# Altium PCB FMC_ADC_100M_10B_16CHA_TDC.PcbDoc (part 12 of 12)
Units mil, origin at the board's own origin, x right, y up, seen from the top; angles counter-clockwise.
Board outline 3037.39 x 2716.54 mil, 6 copper layers (TOP, G1, L2, L3, P3, BOTTOM), stack 50.475 mil thick; 720 components, 633 nets, 2798 pads, 1593 vias.
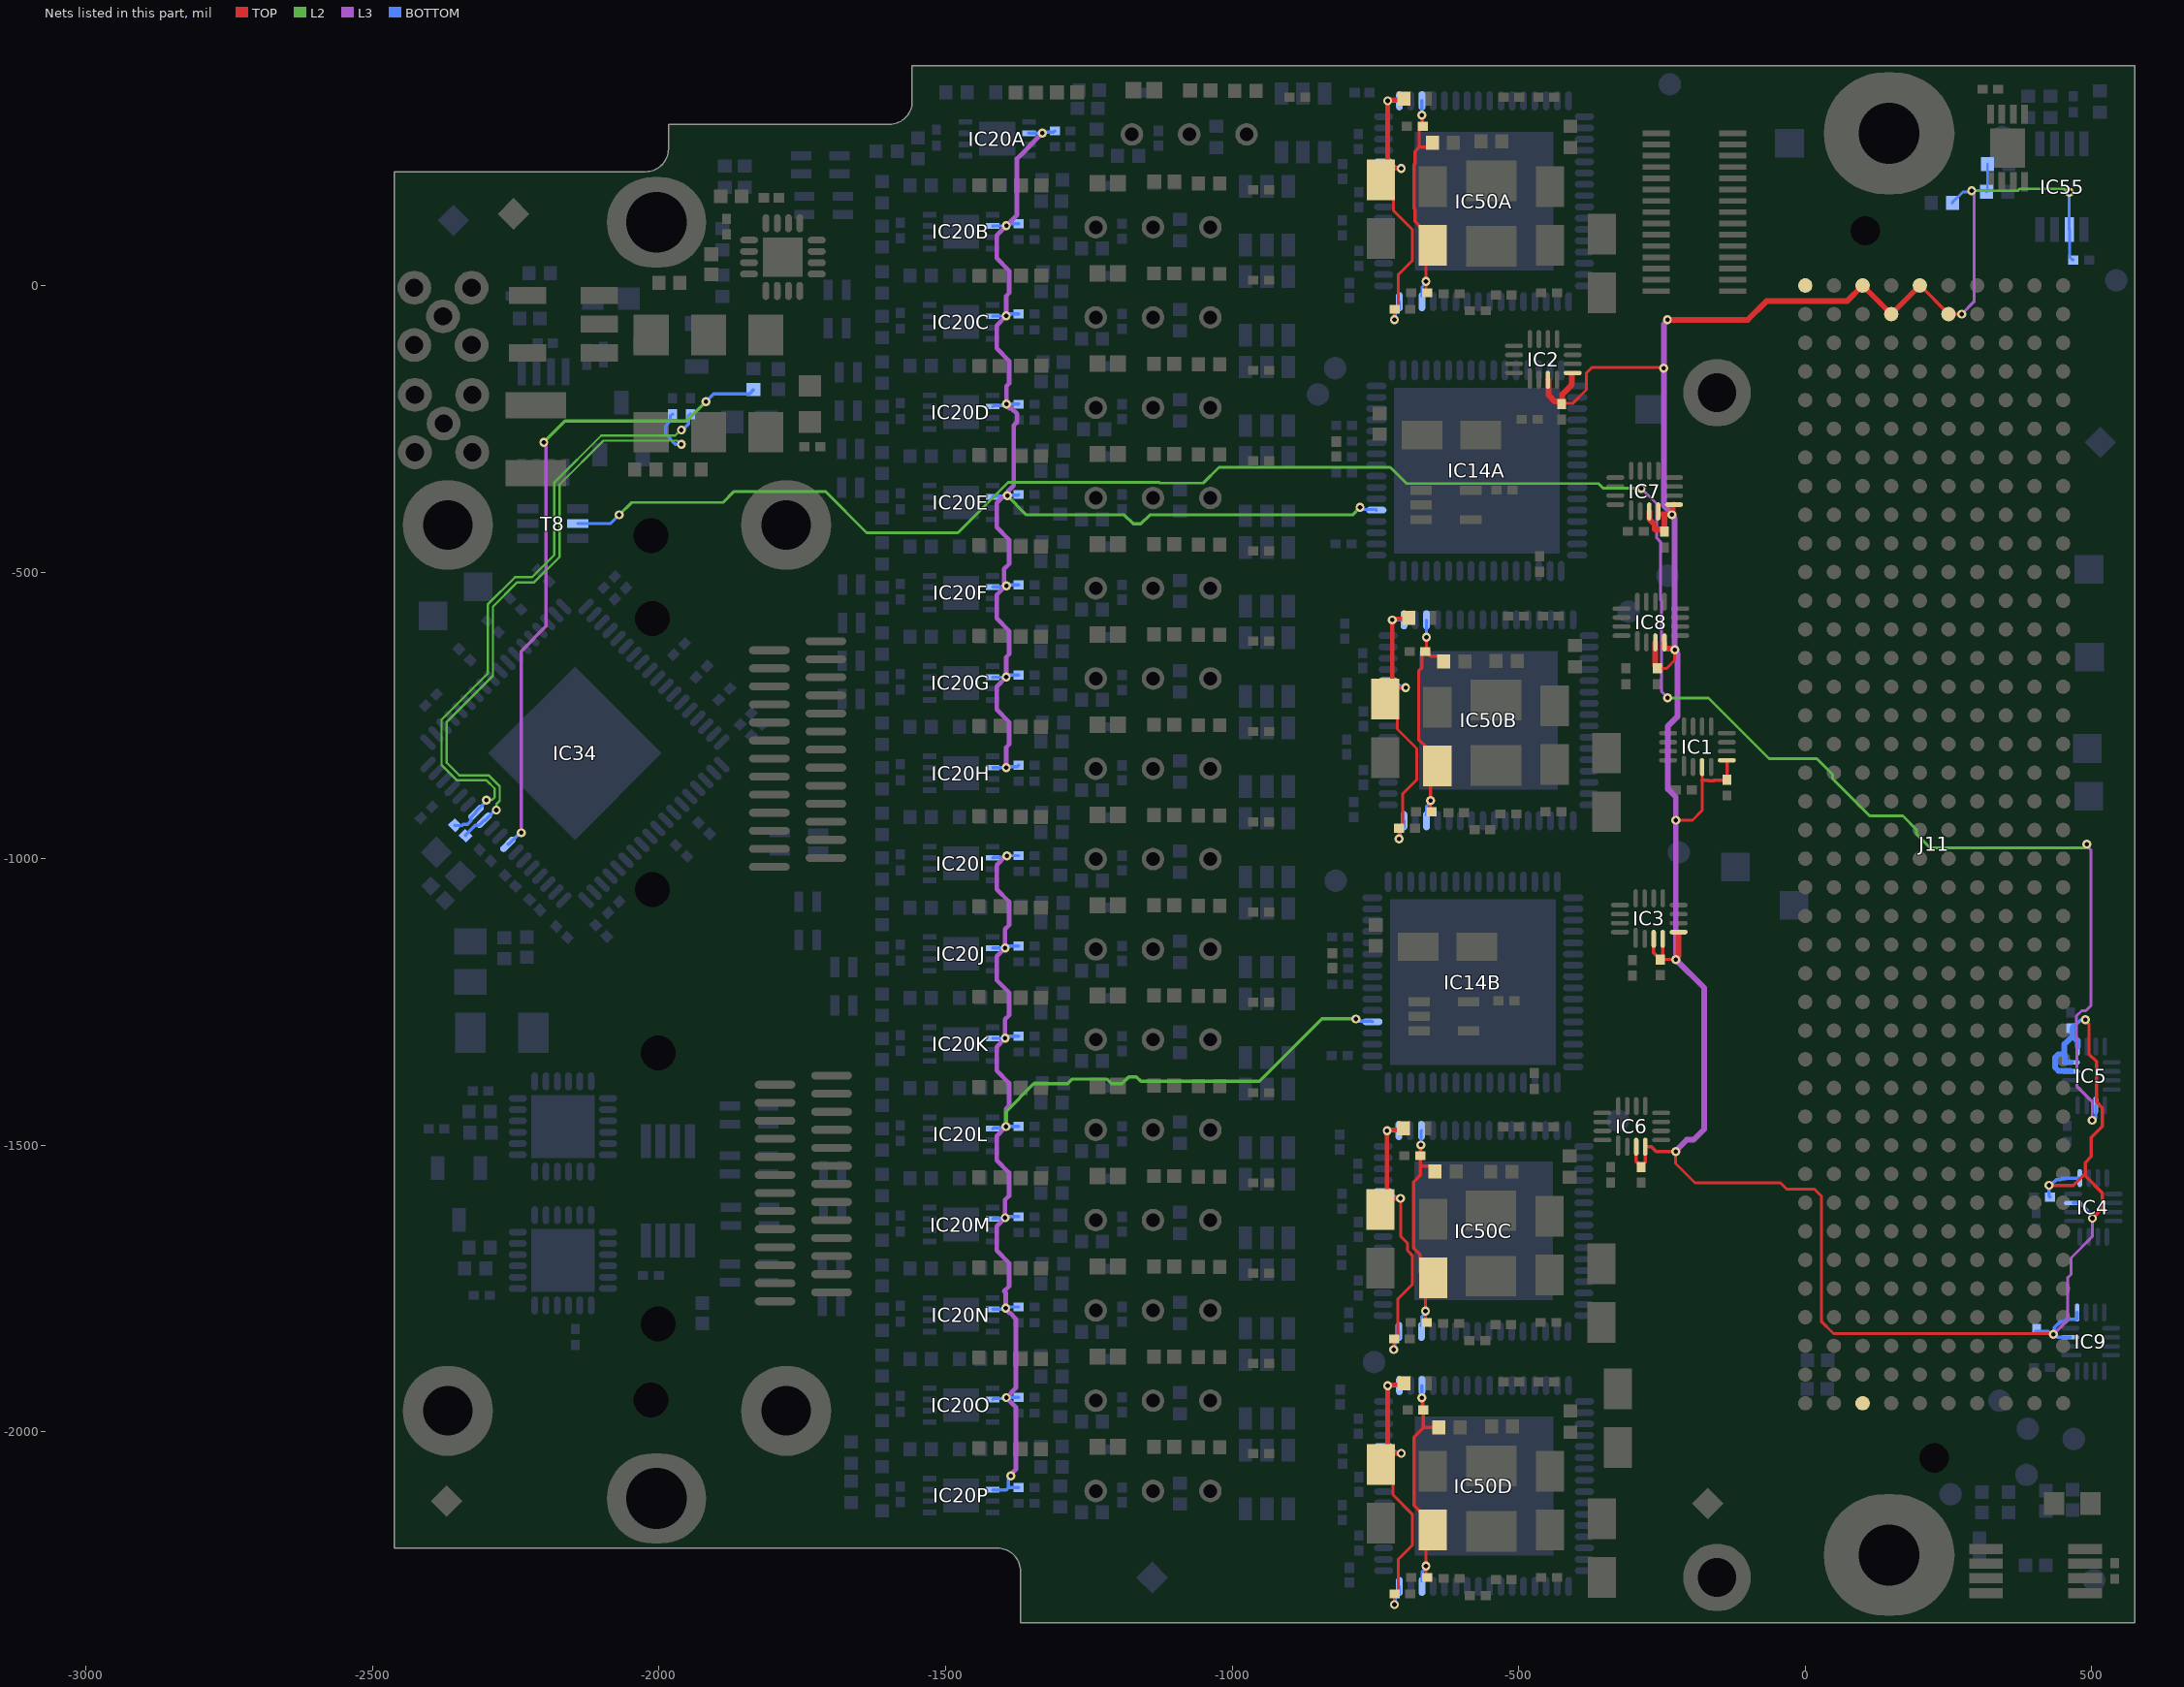
[diagram p16: the nets of this part, all layers, seen from the top]

## Via types
v1: diameter 15.75, hole 7.87, TOP to BOTTOM, tented both sides, 1528 vias
v2: diameter 23.62, hole 11.81, TOP to BOTTOM, tented both sides, 39 vias
v3: diameter 23.62, hole 7.87, TOP to BOTTOM, tented both sides, 26 vias

## Nets (pads, with @x,y where several pads share a name; then routed paths per layer and width w, separated by ;. In a path a pad name is that pad's centre, name@x,y a point inside that pad or via, vN(x,y) a via of type N, cw(c..) or ccw(c..) an arc to the next point about the centre after c; other vN are vias at no path point) (continued)
TRIG_TERM: IC5.14 T8.5 | length 3751.6
  L3 w5: v1(-286.2,-353.95) -259.37,-380.78 -259.37,-440.29 -252.76,-446.9 -252.76,-548.32 -250.97,-550.11 -250.97,-708.36 -240.51,-718.82 v1(-240.51,-719.64) ; v1(491.2,-974.72) 491.2,-977.62 498.37,-984.8 498.37,-1210.51 498.45,-1210.58 498.45,-1256.37 489.44,-1265.37 482.26,-1265.37 473.25,-1274.38 473.25,-1311.87 473.63,-1312.25 473.63,-1396.78 500.56,-1423.71 v1(500.56,-1456.53)
  L2 w5: v1(-2069.39,-400.21) -2047.74,-378.56 -1888.25,-378.56 -1868.95,-359.25 -1709.81,-359.25 -1637.72,-431.34 -1478.58,-431.34 -1390.83,-343.58 -1126.78,-343.58 -1125.65,-344.72 -1050.44,-344.72 -1023.08,-317.36 -724.18,-317.36 -695.91,-345.63 -360.63,-345.63 -352.31,-353.95 v1(-286.2,-353.95) ; v1(-240.51,-719.64) -168.94,-719.64 -63.21,-825.37 20.12,-825.37 47.63,-852.88 47.63,-860.51 112.49,-925.37 170.12,-925.37 194.01,-949.26 194.01,-956.89 217.9,-980.78 488.11,-980.78 488.11,-980.71 491.2,-977.62 v1(491.2,-974.72)
  BOTTOM w5: T8.5@-2142.13,-415.41 -2141.76,-415.04 -2084.22,-415.04 v1(-2069.39,-400.21) ; v1(500.56,-1456.53) 503.46,-1456.53 506.56,-1453.43 506.81,-1453.43 506.81,-1430.25 IC5.14@506.87,-1430.18
TVDD18A: C280A.1 C281A.1 C282A.1 IC50A.30 IC50A.51 R148A.2 | length 395
  TOP w5: v1(-661.81,7.03) -661.81,-10.68 C282A.1@-659.84,-12.65
  TOP w5.71: C280A.1@-669.68,73.96 -669.68,100.54 -681.13,111.99 -681.13,132.37 -682.46,133.7 -682.46,211.08 -681.13,212.4 -681.13,233.77 -673.71,241.19 -673.71,272.49 -668.7,277.51 C281A.1@-667.71,277.51 ; v1@-661.81,10.97 C280A.1@-661.81,70.03
  TOP w6: -673.71,241.19 -658.52,241.19 R148A.2@-650.79,248.92 ; v1(-668.94,297.19) -668.33,296.57 -668.33,278.12 C281A.1@-667.71,277.51
  BOTTOM w5: IC50A.30@-669.68,-18.31 -668.77,-17.4 -668.77,-2.84 -661.81,4.13 v1(-661.81,7.03)
  BOTTOM w6: v1(-668.94,297.19) -668.85,297.27 -668.85,322.03 IC50A.51@-668.77,322.11
TVDD18B: C280B.1 C281B.1 C282B.1 IC50B.30 IC50B.51 R148B.2 | length 408.5
  TOP w5: C281B.1@-662.8,-638.55 -660.9,-636.65 v1(-660.9,-613.7) ; v1(-653.94,-898.48) -653.94,-916.19 C282B.1@-651.97,-918.16
  TOP w5.71: C281B.1@-662.8,-638.55 -663.78,-638.55 -668.8,-643.57 -668.8,-667.28 -674.59,-673.07 -674.59,-792.2 -661.81,-804.97 C280B.1@-661.81,-831.55 ; C281B.1@-660.9,-636.65 -660.9,-639.46 -653.75,-646.61 -639.68,-646.61 -631.12,-655.17 R148B.2@-631.12,-655.96 R148B.2@-631.12,-656.75 ; v1@-653.94,-894.54 C280B.1@-653.94,-835.49
  BOTTOM w5: IC50B.30@-661.81,-923.82 -660.9,-922.91 -660.9,-908.35 -653.94,-901.39 v1(-653.94,-898.48) ; v1(-660.9,-613.7) IC50B.51@-660.9,-583.4
TVDD18C: C280C.1 C281C.1 C282C.1 IC50C.30 IC50C.51 R148C.2 | length 397.7
  TOP w5: v1(-662.73,-1789.42) -662.73,-1807.14 C282C.1@-660.76,-1809.11
  TOP w5.71: -674.43,-1555.06 -683.38,-1564.01 -683.38,-1679.62 -672.66,-1690.34 -672.66,-1720.43 C280C.1@-670.6,-1722.49 ; v1@-662.73,-1785.49 C280C.1@-662.73,-1726.43
  TOP w6: -674.43,-1555.06 -671.66,-1552.29 -671.66,-1535.31 ; v1(-670.6,-1499.43) -671.13,-1499.96 -671.13,-1517.8 C281C.1@-671.66,-1518.32 -671.66,-1535.31 ; R148C.2@-645.8,-1545.33 -645.8,-1544.54 -654.21,-1536.12 -670.84,-1536.12 -671.66,-1535.31
  BOTTOM w5: IC50C.30@-670.6,-1814.77 -669.69,-1813.86 -669.69,-1799.29 -662.73,-1792.33 v1(-662.73,-1789.42) ; v1(-670.6,-1499.43) -670.14,-1498.98 -670.14,-1474.8 IC50C.51@-669.69,-1474.34
TVDD18D: C280D.1 C281D.1 C282D.1 IC50D.30 IC50D.51 R148D.2 | length 396.8
  TOP w5: v1(-661.81,-2234.3) -661.81,-2252.02 C282D.1@-659.84,-2253.99
  TOP w5.71: -673.52,-1999.95 -682.46,-2008.89 -682.46,-2128.02 -669.69,-2140.8 C280D.1@-669.69,-2167.38 ; v1@-661.81,-2230.37 C280D.1@-661.81,-2171.31
  TOP w6: -673.52,-1999.95 -665.81,-1992.24 ; v1(-669.23,-1940.49) -667.76,-1941.96 -667.76,-1960.04 C281D.1@-666.28,-1961.52 -666.28,-1991.77 -665.81,-1992.24 ; R148D.2@-639.1,-1992.24 -665.81,-1992.24
  BOTTOM w5: IC50D.30@-669.69,-2259.65 -668.77,-2258.74 -668.77,-2244.17 -661.81,-2237.21 v1(-661.81,-2234.3)
  BOTTOM w6: v1(-669.23,-1940.49) -669,-1940.26 -669,-1919.46 IC50D.51@-668.77,-1919.23
TVDD33A: C273A.1 C274A.1 IC50A.32 IC50A.44 IC50A.49 R146A.2 | length 577.4
  TOP w5: C273A.1@-744.49,172.39 -739.57,172.39 -718.44,151.27 -718.44,130.38 -685.88,97.82 -685.88,43.08 -710.31,18.65 -710.31,-36.09 -715.68,-41.46 C274A.1@-716.67,-41.46 ; v1(-716.93,-59.9) C274A.1@-716.93,-40.21
  TOP w7.87: v1@-732.38,321.99 -728.74,318.36 -728.74,196.01 C273A.1@-740.55,184.2 -720.86,203.88 v1(-705.12,203.88) ; v1@-723.28,323.77 -702.16,323.77 R146A.2@-700,325.93
  BOTTOM w5: v1(-728.74,321.99) -708.26,321.99 IC50A.49@-708.14,322.11 ; v1(-716.93,-59.9) -714.87,-57.84 -714.87,-47.68 -708.14,-40.95 IC50A.32@-708.14,-28.28
  BOTTOM w5.71: IC50A.44@-735.7,215.81 -724.42,215.81 -714.41,205.8 -707.04,205.8 v1(-705.12,203.88)
TVDD33B: C273B.1 C274B.1 IC50B.32 IC50B.44 IC50B.49 R146B.2 | length 576.8
  TOP w5: C273B.1@-736.61,-733.12 -732.71,-733.12 -711.59,-754.25 -711.59,-774.12 -678.01,-807.69 -678.01,-862.43 -702.44,-886.86 -702.44,-941.6 -707.81,-946.97 C274B.1@-708.79,-946.97 ; v1(-709.05,-965.41) C274B.1@-709.05,-945.72
  TOP w7.87: v1@-724.5,-583.52 -720.86,-587.15 -720.86,-709.5 C273B.1@-732.68,-721.31 -712.99,-701.63 v1(-697.24,-701.63) ; v1@-715.41,-581.74 -694.29,-581.74 R146B.2@-692.12,-579.58
  BOTTOM w5: v1(-720.86,-583.52) -700.38,-583.52 IC50B.49@-700.27,-583.4 ; v1(-709.05,-965.41) -707,-963.35 -707,-953.19 -700.27,-946.46 IC50B.32@-700.27,-933.79
  BOTTOM w5.71: IC50B.44@-727.83,-689.7 -716.55,-689.7 -706.54,-699.71 -699.16,-699.71 v1(-697.24,-701.63)
TVDD33C: C273C.1 C274C.1 IC50C.32 IC50C.44 IC50C.49 R146C.2 | length 590.5
  TOP w5: v1(-717.84,-1856.35) C274C.1@-717.84,-1836.67 ; C274C.1@-717.58,-1837.92 -716.6,-1837.92 -711.23,-1832.55 -711.23,-1768.49 -685.81,-1743.07 -685.81,-1691.84 -693.73,-1683.91 -693.73,-1671.46 -706.03,-1659.16 v1(-706.03,-1592.57)
  TOP w7.87: v1@-733.29,-1474.46 -729.66,-1478.1 -729.66,-1600.45 C273C.1@-741.47,-1612.26 -721.78,-1592.57 v1(-706.03,-1592.57) ; v1@-724.2,-1472.69 -703.08,-1472.69 R146C.2@-700.91,-1470.53
  BOTTOM w5: v1(-729.66,-1474.46) -709.18,-1474.46 IC50C.49@-709.06,-1474.34 ; v1(-717.84,-1856.35) -715.79,-1854.3 -715.79,-1844.14 -709.06,-1837.41 IC50C.32@-709.06,-1824.74
  BOTTOM w5.71: IC50C.44@-736.62,-1580.64 -725.34,-1580.64 -715.33,-1590.65 -707.95,-1590.65 v1(-706.03,-1592.57)
TVDD33D: C273D.1 C274D.1 IC50D.32 IC50D.44 IC50D.49 R146D.2 | length 565.7
  TOP w5: C273D.1@-744.49,-2068.95 -740.59,-2068.95 -719.46,-2090.07 -719.46,-2109.94 -685.89,-2143.52 -685.89,-2198.26 -710.31,-2222.69 -710.31,-2277.43 -715.69,-2282.8 C274D.1@-716.67,-2282.8 ; v1(-716.93,-2301.23) C274D.1@-716.93,-2281.55
  TOP w7.87: C273D.1@-740.55,-2057.14 C273D.1@-732.68,-2049.27 ; v1@-732.38,-1919.34 -728.74,-1922.98 -728.74,-2045.33 C273D.1@-732.68,-2049.27 ; v1@-723.29,-1917.57 -702.17,-1917.57 R146D.2@-700,-1915.41 ; v1(-705.12,-2037.45) -720.87,-2037.45 C273D.1@-732.68,-2049.27
  BOTTOM w5: v1(-728.74,-1919.34) -708.26,-1919.34 IC50D.49@-708.14,-1919.23 ; v1(-716.93,-2301.23) -714.87,-2299.18 -714.87,-2289.02 -708.14,-2282.29 IC50D.32@-708.14,-2269.62
  BOTTOM w5.71: IC50D.44@-735.7,-2025.53 -724.42,-2025.53 -714.41,-2035.53 -707.04,-2035.53 v1(-705.12,-2037.45)
VADJ: C289.1 C291.1 C293.1 C294.2 C297.1 C299.1 C300.1 C302.1 C304.1 C306.1 IC1.3 IC1.5 IC2.3 IC2.5 IC3.3 IC3.4 IC3.5 IC4.3 IC4.5 IC5.3 IC5.4 IC5.5 IC6.3 IC6.4 IC7.3 IC7.4 IC7.5 IC8.3 IC8.4 IC9.3 IC9.5 IC55.2 J11.e39 J11.f40 J11.g39 J11.h40 R138.1 R158.2 R159.2 | length 5901.9
  TOP w5: C300.1@-420,-206 -406,-206 -382,-182 -382,-152.79 -372.51,-143.3 -247.85,-143.3 v1(-246.87,-144.27) ; C302.1@-258,-667.18 C302.1@-258,-668.16 -242.11,-668.16 -227.79,-653.84 v1(-227.79,-635.43) ; C293.1@-257.75,-1170.86 C293.1@-252.75,-1175.87 v1(-225.96,-1175.87) ; v1(-226.13,-1511.02) -226.13,-1531.73 -192.3,-1565.56 -43.15,-1565.56 -31.89,-1576.82 16.51,-1576.82 27.9,-1588.21 27.9,-1807 49.53,-1828.63 v1@431.63,-1828.63 ; v1(-225.96,-932.88) -196.8,-932.88 -180.12,-916.21 -180.12,-863.28 IC1.3@-180.12,-840.17
  TOP w5.71: J11.f40@200,0 J11.e39@250,-50 v1(273,-50) ; v1(425.26,-1569.73) 425.99,-1570.45 467.7,-1570.45 488.73,-1549.43 ; v1@431.63,-1828.63 v1(433,-1830) ; v1(488.63,-1280.75) 488.63,-1281.99 495,-1288.36 495,-1341 507.98,-1353.98 507.98,-1424.31 518.4,-1434.74 518.4,-1466.99 499.14,-1486.25 499.14,-1519.75 488.73,-1530.17 488.73,-1549.43 ; v1(501,-1627.28) 518.4,-1609.88 518.4,-1583.31 488.73,-1553.64 488.73,-1549.43
  TOP w6: IC6.3@-294.91,-1502.57 -294.91,-1528.25 C304.1@-286.39,-1536.76 ; C304.1@-286.39,-1537.75 C304.1@-286.39,-1536.76 ; IC3.3@-264.43,-1140 -264.43,-1164.19 C293.1@-257.75,-1170.86 ; C293.1@-252.75,-1175.87 -249.04,-1172.16 -249.04,-1140.36 IC3.4@-248.68,-1140 ; v1(-226.13,-1511.02) -260.03,-1511.02 -268.48,-1502.57 IC6.4@-279.16,-1502.57 -279.16,-1529.53 C304.1@-286.39,-1536.76 ; -180.12,-863.28 -169.96,-863.28 -169.32,-863.92 -159.43,-863.92 -158.79,-863.28 -137.63,-863.28 C291.1@-136.62,-862.26 -136.62,-828.56 IC1.5@-136.82,-828.36
  TOP w10: IC2.3@-449.13,-164.43 -448.06,-165.5 -448.06,-190.83 -442.9,-195.99 -442.9,-197.01 -437.92,-202 -428.63,-202 -425.04,-205.59 C300.1@-425.04,-206.58 ; C300.1@-423.92,-202.72 -423.92,-189.75 -407,-172.83 IC2.5@-407,-153.68 ; IC7.3@-272.3,-394.18 -272.3,-407.86 -263.18,-416.98 -263.18,-424.92 -262.49,-425.61 -248.65,-425.61 C299.1@-246.1,-428.15 ; IC8.3@-261.52,-622.63 -261.52,-663.66 C302.1@-258,-667.18 ; IC7.4@-255.49,-398.9 -246.1,-398.9 ; IC8.4@-245.77,-622.63 -245.77,-632.32 -244.71,-633.38 -231.4,-633.38 -229.35,-635.43 v1(-227.79,-635.43) ; v1(-240.55,-59.9) -100.31,-59.9 -67.81,-27.4 72.6,-27.4 J11.h40@100,0 J11.g39@150,-50 J11.f40@200,0 ; IC7.5@-228.99,-382.37 -230.41,-382.37 -231.47,-383.43 -231.47,-398.9 v1(-232.57,-400) -233.67,-398.9 -246.1,-398.9 ; -221.12,-1169.47 IC3.5@-221.12,-1128.19 ; C299.1@-246.1,-428.15 -245.77,-428.48 C299.1@-245.77,-429.46 -246.1,-429.14 C299.1@-246.1,-428.15 ; C299.1@-246.1,-428.15 -246.1,-398.9
  L3 w5: v1(273,-50) 294.37,-28.63 294.37,158.34 290.41,162.3 v1(290.41,165.21) ; v1(433,-1830) 457.63,-1805.37 457.63,-1731.51 463.75,-1725.38 463.75,-1696.41 501,-1659.16 v1(501,-1627.28)
  L3 w10: v1(-240.55,-59.9) -240.55,-61.45 -246.87,-67.77 v1(-246.87,-144.27) -246.87,-384.15 v1@-231.02,-400 ; v1@-231.47,-401.56 -231.47,-402.66 -227.79,-406.34 v1(-227.79,-635.43) ; v1(-226.13,-1511.02) -226.13,-1509.86 -206.6,-1490.32 -194.76,-1490.32 -176.52,-1472.07 -176.52,-1225.3 v1(-225.96,-1175.87) v1(-225.96,-932.88) -225.96,-892.32 -239.67,-878.61 -239.67,-768.55 -222.64,-751.52 -222.64,-642.14
  L2 w5: v1(290.41,165.21) 370.8,165.21 374.22,168.62 451.71,168.62 457.76,162.57 v1(460.67,162.57)
  BOTTOM w5: R138.1@256.75,143.97 256.75,144.76 275.15,163.15 288.35,163.15 v1(290.41,165.21) 314.56,165.21 R159.2@316.24,163.53 317.92,165.21 R158.2@317.92,211.46 ; C306.1@401.12,-1824.12 424.21,-1824.12 430.09,-1830 v1(433,-1830) ; v1(460.67,162.57) IC55.2@460.67,97.51 461.2,96.98 461.2,49.73 466.57,44.36 C294.2@467.56,44.36
  BOTTOM w5.71: v1(425.26,-1569.73) 425.26,-1589 C297.1@426.73,-1590.47 ; v1@425.99,-1569.73 427.98,-1569.73 437.97,-1559.73 445.93,-1559.73 448.28,-1557.38 IC4.5@479.05,-1557.38 ; IC9.3@462.5,-1834.94 440.66,-1834.94 435.72,-1830 v1(433,-1830) 434.92,-1828.08 434.92,-1818.29 445.81,-1807.4 451.95,-1807.4 455.49,-1803.86 473.32,-1803.86 474.32,-1802.86 IC9.5@474.32,-1791.64 ; C289.1@466,-1296 466,-1291.8 468.02,-1289.78 472.22,-1289.78 480.08,-1281.92 ; IC4.3@467.24,-1600.69 479.63,-1600.69 483.59,-1604.65 483.93,-1604.65 492.47,-1613.18 492.47,-1615.16 501,-1623.69 v1(501,-1627.28)
  BOTTOM w10: 450,-1341 441.86,-1341 436,-1346.86 436,-1364.21 441.86,-1370.06 462.5,-1370.06 IC5.3@463.57,-1371.13 ; IC5.4@463.57,-1355.38 453.88,-1355.38 452.82,-1354.31 452.82,-1344.63 452,-1343.81 452,-1324 466,-1310 ; C289.1@465.87,-1296 465.87,-1308.63 475.38,-1318.13 IC5.5@475.38,-1327.82
VCM0: C103A.1 C103B.1 C103C.1 C103D.1 C103E.1 C103F.1 C103G.1 C103H.1 IC14A.53 IC20A.2 IC20B.2 IC20C.2 IC20D.2 IC20E.2 IC20F.2 IC20G.2 IC20H.2 | length 2274.9
  L3 w7.87: v1(-1394.22,-841.15) -1394.22,-805.87 -1389.22,-800.87 -1389.22,-761.51 -1411.03,-739.7 -1411.03,-699.93 v1(-1394.22,-683.12) -1394.22,-648.39 -1389.22,-643.39 -1389.22,-602.57 -1411.03,-580.76 -1411.03,-539.66 -1398.03,-526.67 -1398.03,-494.73 -1389.22,-485.91 -1389.22,-443.44 -1411.03,-421.63 -1411.03,-379.15 -1391.66,-359.79 -1391.66,-366.16 v1(-1392.25,-366.75) ; v1@-1392.25,-359.79 -1381.22,-348.76 -1381.22,-243.99 -1375.19,-237.96 -1375.19,-224.04 -1385.04,-214.19 -1388.74,-214.19 -1394.09,-208.84 v1(-1394.09,-206.75) -1394.09,-175.83 -1389.22,-170.95 -1389.22,-131.59 -1411.03,-109.78 -1411.03,-70.01 v1(-1394.22,-53.2) -1394.22,-18.47 -1389.22,-13.47 -1389.22,25.89 -1411.03,47.7 -1411.03,87.35 v1(-1394.1,104.28) -1375.59,122.78 -1375.59,221.36 -1331.26,265.7 v1(-1331.1,265.7)
  L2 w5.71: v1(-1392.25,-366.75) -1358.78,-400.21 -1188.12,-400.21 -1172.39,-415.94 -1159.35,-415.94 -1143.62,-400.21 -790.15,-400.21 v1(-776.97,-387.02)
  BOTTOM w5.71: IC20H.2@-1417.84,-841.15 v1(-1394.22,-841.15) -1392.3,-839.23 -1374.58,-839.23 C103H.1@-1372.56,-837.22 ; IC20G.2@-1417.84,-683.67 -1417.56,-683.4 -1394.49,-683.4 v1@-1394.22,-683.67 ; IC20F.2@-1417.84,-526.19 -1417.15,-525.51 -1398.72,-525.51 v1@-1398.03,-526.19 ; IC20E.2@-1417.84,-368.71 -1416.85,-367.73 -1393.23,-367.73 v1(-1392.25,-366.75) -1390.28,-364.78 -1389.29,-365.76 -1373.55,-365.76 C103E.1@-1372.56,-364.78 ; IC20D.2@-1417.84,-211.23 -1415.77,-209.17 -1399.23,-209.17 -1398.73,-208.67 -1396.78,-208.67 v1@-1394.22,-211.23 ; IC20C.2@-1417.84,-53.75 -1417.56,-53.48 -1394.49,-53.48 v1@-1394.22,-53.75 ; IC20B.2@-1417.84,103.73 -1417.56,104 -1394.49,104 v1@-1394.22,103.73 ; v1@-1390.28,-679.74 C103G.1@-1372.56,-679.74 ; v1@-1390.28,-522.26 C103F.1@-1372.56,-522.26 ; v1@-1390.28,-207.3 -1390.01,-207.02 -1372.84,-207.02 C103D.1@-1372.56,-207.3 ; v1@-1390.28,-49.82 C103C.1@-1372.56,-49.82 ; v1@-1390.28,107.66 C103B.1@-1372.56,107.66 ; IC20A.2@-1354.73,265.7 v1(-1331.1,265.7) -1329.18,267.62 -1311.47,267.62 C103A.1@-1309.45,269.63 ; v1(-776.97,-387.02) -774.25,-387.02 -770.5,-390.78 -749.59,-390.78 IC14A.53@-748.43,-391.94
  other v1: -1394,-524
VCM1: C103I.1 C103J.1 C103K.1 C103L.1 C103M.1 C103N.1 C103O.1 C103P.1 IC14B.53 IC20I.2 IC20J.2 IC20K.2 IC20L.2 IC20M.2 IC20N.2 IC20O.2 IC20P.2 | length 2301.4
  L3 w7.87: v1(-1393,-995) -1395.1,-995 -1411.03,-1010.93 -1411.03,-1053.23 -1389.22,-1075.04 -1389.22,-1115.83 -1396.1,-1122.72 v1(-1396.1,-1155.56) -1411.03,-1170.49 -1411.03,-1212.06 -1389.22,-1233.87 -1389.22,-1273.31 -1396.1,-1280.2 v1(-1396.1,-1313.25) -1411.03,-1328.18 -1411.03,-1369.62 -1389.22,-1391.43 -1389.22,-1430.8 -1394.86,-1436.44 v1(-1394.86,-1467.4) -1411.03,-1483.56 -1411.03,-1526.08 -1389.22,-1547.89 -1389.22,-1588.28 -1396.1,-1595.16 v1(-1396.1,-1626.53) -1411.03,-1641.46 -1411.03,-1683.77 -1389.22,-1705.58 -1389.22,-1745.76 -1398.03,-1754.57 -1395,-1757.6 v1(-1395,-1784) -1395,-1784.59 -1395.9,-1785.49 -1388.54,-1792.85 -1387.25,-1792.85 -1377.41,-1802.7 -1377.41,-1923.56 v1(-1394.1,-1940.25) -1377.41,-1956.94 -1377.41,-2065.88 -1386.22,-2074.69 v1(-1386.22,-2076.82)
  L2 w5.71: v1(-1394.86,-1467.4) -1394.86,-1441.6 -1346.14,-1392.88 -1287.09,-1392.88 -1278.68,-1384.48 -1219.1,-1384.48 -1210.69,-1392.88 -1192.6,-1392.88 -1180.26,-1380.54 -1167.23,-1380.54 -1159.17,-1388.6 -952.36,-1388.6 -843.34,-1279.58 v1(-783.86,-1279.58)
  BOTTOM w5.71: IC20P.2@-1417.84,-2101 -1394.22,-2101 -1390.28,-2097.06 -1390.28,-2083.6 -1386.22,-2079.54 v1(-1386.22,-2076.82) ; IC20O.2@-1417.84,-1943.52 -1416.2,-1941.88 -1395.85,-1941.88 v1@-1394.22,-1943.52 ; IC20N.2@-1417.84,-1786.04 -1417.56,-1785.76 -1398.3,-1785.76 v1@-1398.03,-1786.04 ; IC20M.2@-1417.84,-1628.56 -1416.83,-1627.54 -1397.11,-1627.54 v1@-1396.1,-1628.56 ; IC20L.2@-1417.84,-1471.08 -1416,-1469.24 -1396.7,-1469.24 v1@-1394.86,-1471.08 ; IC20K.2@-1417.84,-1313.6 -1417.67,-1313.42 -1396.27,-1313.42 v1@-1396.1,-1313.6 ; IC20J.2@-1417.84,-1156.12 -1417.56,-1155.84 -1396.37,-1155.84 v1@-1396.1,-1156.12 ; IC20I.2@-1417.84,-998.63 -1416.87,-997.67 -1398.39,-997.67 v1@-1397.42,-998.63 ; v1@-1390.28,-1939.58 -1389.95,-1939.91 -1372.9,-1939.91 C103O.1@-1372.56,-1939.58 ; v1@-1390.28,-1782.1 C103N.1@-1372.56,-1782.1 ; v1@-1390.28,-1624.62 C103M.1@-1372.56,-1624.62 ; v1@-1390.28,-1467.14 -1390.28,-1467.22 -1390.23,-1467.27 -1372.69,-1467.27 C103L.1@-1372.56,-1467.14 ; v1@-1390.28,-1309.66 C103K.1@-1372.56,-1309.66 ; v1@-1390.28,-1152.18 C103J.1@-1372.56,-1152.18 ; v1@-1390.28,-994.7 C103I.1@-1372.56,-994.7 ; -1390.16,-2097.06 C103P.1@-1372.56,-2097.06 ; v1(-783.86,-1279.58) -781.14,-1279.58 -777.39,-1283.34 -756.48,-1283.34 IC14B.53@-755.32,-1284.5
VCXO_IN_N: C112.2 IC34.12 R73.2 | length 1107.7
  L2 w4: v1(-2301.5,-897.76) -2300.71,-896.97 -2290.68,-896.97 -2287,-893.29 -2287,-877.53 -2301.11,-863.42 -2352.49,-863.42 -2379.47,-836.44 -2379.47,-757.47 -2298.98,-676.98 -2298.98,-556.74 -2251.11,-508.87 -2221.62,-508.87 -2182.62,-469.87 -2182.62,-343.71 -2100.77,-261.85 -1971.86,-261.85 -1968.13,-258.12 -1962.15,-252.15 v1(-1961.03,-252.15)
  BOTTOM w5.71: R73.2@-2356.04,-941.66 -2355.48,-942.21 -2343.77,-942.21 -2341.48,-939.92 -2334.97,-939.92 -2334.38,-940.52 -2328.24,-934.38 -2328.24,-928.03 IC34.12@-2319.41,-919.21 -2319.41,-917.56 -2301.5,-899.65 v1(-2301.5,-897.76) ; v1(-1961.03,-252.15) -1958.72,-252.15 -1948.34,-241.77 -1948.34,-227.53 C112.2@-1945.28,-224.46
VCXO_IN_P: C110.1 IC34.11 R73.1 | length 1131.7
  L2 w4: v1(-2284.05,-915.22) -2283.25,-914.42 -2283.25,-904.39 -2278,-899.14 -2278,-873.8 -2297.38,-854.42 -2348.76,-854.42 -2370.47,-832.71 -2370.47,-761.2 -2289.98,-680.7 -2289.98,-560.46 -2247.38,-517.87 -2217.9,-517.87 -2173.62,-473.59 -2173.62,-347.44 -2097.04,-270.85 -1968.13,-270.85 -1962.15,-276.83 v1(-1961.03,-276.83)
  BOTTOM w5.71: R73.1@-2337.67,-960.03 -2337.67,-958.96 -2320.66,-941.95 -2314.32,-941.95 IC34.11@-2305.49,-933.13 -2303.84,-933.13 -2285.93,-915.22 v1(-2284.05,-915.22) ; C110.1@-1976.77,-224.46 -1980.39,-228.08 -1980.39,-236.6 -1988.47,-244.68 -1988.47,-259.61 -1971.25,-276.83 v1(-1961.03,-276.83)
VCXO_VT: IC34.8 R72.1 | length 1136.3
  L3 w5.71: v1(-2240.55,-954.78) -2240.55,-637.83 -2197.26,-594.54 -2197.26,-280.31 -2201.18,-276.39 v1(-2201.18,-273.67)
  L2 w5.71: v1(-2201.18,-273.67) -2163.92,-236.41 -1951.69,-236.41 v1(-1918.09,-202.81)
  BOTTOM w5.71: IC34.8@-2263.74,-974.89 -2262.2,-974.89 -2242.09,-954.78 v1(-2240.55,-954.78) ; v1(-1918.09,-202.81) -1904.33,-189.05 -1842.14,-189.05 R72.1@-1835.04,-181.94
VIO_B_M2C: J11.k40
VREF_A_M2C: J11.h1
pads on no net: B5.1 B6.1 Cage1.7 Cage1.8 FTG1.1 FTG2.1 FTG3.1 FTG4.1 FTG5.1 FTG6.1 IC1.7 IC1.14 IC2.8 IC2.11 IC2.13 IC3.7 IC3.14 IC5.9 IC5.12 IC6.7 IC6.14 IC7.8 IC7.9 IC7.12 IC7.13 IC9.6 IC9.15 IC14A.51 IC14A.54 IC14A.55 IC14B.51 IC14B.54 IC14B.55 IC34.9 IC34.13 IC34.17 IC34.18 IC34.25 IC34.26 IC34.55 IC34.56 IC34.57 IC35.1 IC35.7 IC35.18 IC35.23 IC35.24 IC36.1 IC36.7 IC36.18 IC36.23 IC36.24 IC42.8 IC50A.52 IC50A.53 IC50B.52 IC50B.53 IC50C.52 IC50C.53 IC50D.52 IC50D.53 J11.1 J11.2 J11.a2 J11.a3 J11.a6 J11.a7 J11.a10 J11.a11 J11.a14 J11.a15 J11.a18 J11.a19 J11.a22 J11.a23 J11.a26 J11.a27 J11.a30 J11.a31 J11.a34 J11.a35 J11.a38 J11.a39 J11.b4 J11.b5 J11.b8 J11.b9 J11.b12 J11.b13 J11.b16 J11.b17 J11.b20 J11.b21 J11.b24 J11.b25 J11.b28 J11.b29 J11.b32 J11.b33 J11.b36 J11.b37 J11.b40 J11.c2 J11.c3 J11.c6 J11.c7 J11.d1 J11.d4 J11.d5 J11.d29 J11.d33 J11.d34 J11.j39 J11.k1 J12.MTG1 J12.MTG2 J13.MTG1 J13.MTG2 T8.1 T8.2 T8.6 TR2.2

## Polygon pours and split planes (outlines as drawn)
GND on L2 "NONET_L-01_P-001" (solid, remove dead copper, pour order 6): -2467,194.57 -2000.85,194.57 -1968.13,227.3 -1968.13,270.7 -1580.06,270.7 -1546.14,304.61 -1546.14,375 568,375 568,-2325 -1360,-2325 -1361,-2324 -1361,-2213.22 -1383.53,-2190.69 -2455.69,-2190.69 -2456,-2191
DVDD33A on L2 "NONET_L-01_P-001" (solid, remove dead copper, pour order 0): -355,-1919.34 -2294.12,-1919.34 -2429.16,-1784.31 -2429.16,-1162.55 -2409.6,-1143 -2150.76,-1143 -2102.75,-1191 -2102.75,-1281.01 -2152.8,-1331.05 -2152.8,-1377.73 -2055.77,-1474.76 -1706.62,-1474.76 -1684,-1497.37 -1684,-1774.72 -1653,-1805.72 -551.39,-1805.72 -520.39,-1774.72 -355,-1774.72
GND on L3 "GND_L04_P007" (solid, remove dead copper, pour order 7): -1558,384 573,384 576,381 575,380 575,-2334 -1364.27,-2334 -1367.27,-2331 -1367.27,-2206.45 -1261.74,-2100.91 -1262.73,316.88 -1476.4,316.88 -1479,314.27 -1479,-2068.45 -1491.02,-2080.47 -1522.21,-2080.47 -1543.04,-2059.64 -1543.04,194.78 -1561.08,212.82 -1597.02,212.82 -1624.62,185.22 -1624.62,-2048.31 -1562.17,-2110.76 -1562.17,-2198.47 -2457.47,-2198.47 -2459,-2200 -2463,-2196 -2463,209 -1998.58,209 -1924.41,283.18 -1589.3,283.18 -1559.54,312.93
P5V0A on L3 "NONET_L-01_P-001" (solid, remove dead copper, pour order 4): -1469,305.07 -1272.44,305.07 -1272.44,-2085.39 -1469,-2085.39
N3V0A on L3 "NONET_L-01_P-001" (solid, remove dead copper, pour order 2): -1551.57,-2068.17 -1578.83,-2068.17 -1614.62,-2032.38 -1614.62,180.38 -1591.12,203.88 -1552.14,203.88 -1534.5,186.24 -1534.5,-2051.1
GND on G1 (split plane): 555.3,-2312.81 -1349.39,-2312.81 -1349.39,-2242.35 -1349.4,-2242.26 -1349.77,-2235.69 -1350.89,-2229.12 -1352.73,-2222.71 -1355.29,-2216.55 -1358.51,-2210.71 -1362.37,-2205.28 -1366.81,-2200.3 -1371.79,-2195.86 -1377.22,-2192 -1383.06,-2188.78 -1389.22,-2186.22 -1395.63,-2184.38 -1402.2,-2183.26 -1408.05,-2182.93 -1408.42,-2182.89 -1408.61,-2182.9 -1408.76,-2182.89 -1408.86,-2182.88 -2441.9,-2182.88 -2441.9,178.5 -2023.04,178.5 -2023.03,178.5 -2022.98,178.5 -2022,178.56 -2021.61,178.55 -2021.32,178.6 -2016.38,178.88 -2009.8,179.99 -2003.39,181.84 -1997.23,184.39 -1991.4,187.62 -1985.96,191.47 -1980.99,195.92 -1976.54,200.89 -1972.68,206.33 -1969.46,212.16 -1966.91,218.33 -1965.06,224.73 -1963.94,231.31 -1963.65,236.61 -1963.59,236.99 -1963.61,237.32 -1963.58,237.88 -1963.57,237.97 -1963.57,261.18 -1597.84,261.18 -1597.75,261.18 -1591.18,261.55 -1584.61,262.67 -1578.2,264.52 -1572.04,267.07 -1566.2,270.29 -1560.76,274.15 -1555.79,278.6 -1551.35,283.57 -1547.49,289.01 -1544.26,294.84 -1541.71,301 -1539.86,307.41 -1538.75,313.98 -1538.38,320.58 -1538.37,320.64 -1538.37,320.65 -1538.37,363.54 555.3,363.54
GND on P3 (split plane): -1560.61,177.26 -1582.74,155.13 -1583.85,153.47 -1584.23,151.52 -1584.23,-2135.88 -1583.85,-2137.83 -1582.74,-2139.48 -1578.8,-2143.42 -1577.15,-2144.53 -1575.2,-2144.91 -1543.7,-2144.91 -1541.75,-2144.53 -1540.1,-2143.42 -1509.39,-2112.72 -1508.29,-2111.06 -1507.9,-2109.11 -1507.9,165.32 -1433.1,165.32 -1433.1,-2121.66 -1432.71,-2123.61 -1431.6,-2125.27 -1411.01,-2145.87 -1411.01,-2182.88 -2441.9,-2182.88 -2441.9,-1211.84 -2079.14,-1211.84 -2077.18,-1211.46 -2075.53,-1210.35 -1796,-930.82 -1794.9,-929.17 -1794.51,-927.22 -1794.51,-636.43 -1794.9,-634.48 -1796,-632.83 -1861.44,-567.39 -1861.44,-103.54 -1861.44,89.93 -1756.54,194.83 -1618.34,194.83 -1616.39,195.22 -1614.74,196.33 -1589.84,221.23 -1560.61,221.23
N3V0A on P3 (split plane): -712.66,293.59 -702.03,282.96 -700.38,281.85 -698.43,281.46 -65.43,281.46 -65.43,212.99 -78.49,199.93 -1201.06,199.93 -1255.35,254.22 -1257,255.32 -1258.95,255.71 -1297.5,255.71 -1308.76,266.98 -1310.42,268.08 -1312.37,268.47 -1331.73,268.47 -1333.68,268.08 -1335.34,266.98 -1413.45,188.87 -1426.8,175.51 -1513,175.51 -1514.95,175.13 -1516.6,174.02 -1517.71,172.37 -1518.09,170.42 -1518.09,-2107 -1545.81,-2134.72 -1573.09,-2134.72 -1574.04,-2133.77 -1574.04,149.41 -1551.91,171.54 -1550.8,173.19 -1550.42,175.14 -1550.42,224.21 -1514.03,260.6 -1473.37,260.6 -1471.42,260.99 -1469.77,262.09 -1431.89,299.97 -1223.15,299.97 -1177.4,254.22 -1175.75,253.11 -1173.79,252.72 -977.82,252.72 -975.86,253.11 -974.21,254.22 -912.94,315.49 -734.56,315.49
P3V3_CLK on P3 (split plane): -40.93,316.78 -66.05,291.66 -696.32,291.66 -705.45,300.8 -728.85,324.19 -730.5,325.29 -732.45,325.68 -915.05,325.68 -917,325.29 -918.66,324.19 -979.93,262.92 -1171.68,262.92 -1217.43,308.67 -1219.09,309.78 -1221.04,310.16 -1434,310.16 -1435.95,309.78 -1437.61,308.67 -1475.48,270.79 -1516.14,270.79 -1518.09,270.41 -1519.75,269.3 -1558.27,230.78 -1558.66,231.03 -1560.61,231.42 -1591.95,231.42 -1593.9,231.03 -1595.55,229.93 -1620.46,205.03 -1758.65,205.03 -1760.6,204.64 -1762.26,203.54 -1870.14,95.65 -1871.25,94 -1871.64,92.05 -1871.64,-103.54 -1871.64,-569.5 -1871.25,-571.45 -1870.14,-573.11 -1804.71,-638.54 -1804.71,-925.11 -2081.25,-1201.65 -2441.9,-1201.65 -2441.9,178.5 -2023.04,178.5 -2023.03,178.5 -2022.98,178.5 -2022,178.56 -2021.61,178.55 -2021.32,178.6 -2016.38,178.88 -2009.8,179.99 -2003.39,181.84 -1997.23,184.39 -1991.4,187.62 -1985.96,191.47 -1980.99,195.92 -1976.54,200.89 -1972.68,206.33 -1969.46,212.16 -1966.91,218.33 -1965.06,224.73 -1963.94,231.31 -1963.65,236.61 -1963.59,236.99 -1963.61,237.32 -1963.58,237.88 -1963.57,237.97 -1963.57,261.18 -1597.84,261.18 -1597.75,261.18 -1591.18,261.55 -1584.61,262.67 -1578.2,264.52 -1572.04,267.07 -1566.2,270.29 -1560.76,274.15 -1555.79,278.6 -1551.35,283.57 -1547.49,289.01 -1544.26,294.84 -1541.71,301 -1539.86,307.41 -1538.75,313.98 -1538.38,320.58 -1538.37,320.64 -1538.37,320.65 -1538.37,363.54 -40.93,363.54
P3V3 on P3 (split plane): 555.3,-2312.81 -1349.39,-2312.81 -1349.39,-2242.35 -1349.4,-2242.26 -1349.77,-2235.69 -1350.89,-2229.12 -1352.73,-2222.71 -1355.29,-2216.55 -1358.51,-2210.71 -1362.37,-2205.28 -1366.81,-2200.3 -1371.79,-2195.86 -1377.22,-2192 -1383.06,-2188.78 -1389.22,-2186.22 -1395.63,-2184.38 -1400.81,-2183.5 -1400.81,-2148.85 -1378.35,-2148.85 -1376.4,-2148.46 -1374.74,-2147.36 -1351.68,-2124.3 -1350.58,-2122.64 -1350.19,-2120.69 -1350.19,60.36 -1305.46,105.09 -1005.75,105.09 -1003.8,105.47 -1002.14,106.58 -964.41,144.31 -927.67,144.31 -867.73,84.37 -866.07,83.27 -864.12,82.88 -763.1,82.88 -761.15,83.27 -759.5,84.37 -736.32,107.55 -106.2,107.55 -104.25,107.94 -102.59,109.04 -56.73,154.91 -55.62,156.56 -55.24,158.51 -55.24,210.87 -55.24,282.96 -55.62,284.91 -56.73,286.56 -32.22,311.07 -31.12,312.72 -30.73,314.67 -30.73,363.54 555.3,363.54
DVDD33A on P3 (split plane): -188.1,-9.11 -188.1,-2054.7 -188.1,-2099.89 -348.91,-2260.7 -466.79,-2260.7 -483.49,-2244 -483.49,24.38 -221.59,24.38
P5V0A on P3 (split plane): -1303.21,247.01 -1301.56,245.9 -1299.61,245.51 -1261.06,245.51 -1206.77,191.22 -1205.12,190.12 -1203.17,189.73 -76.38,189.73 -74.43,190.12 -72.77,191.22 -65.43,198.57 -65.43,160.62 -108.31,117.75 -738.44,117.75 -740.39,117.36 -742.04,116.25 -765.22,93.08 -862.01,93.08 -921.95,153.02 -923.6,154.12 -925.55,154.51 -966.52,154.51 -968.47,154.12 -970.13,153.02 -1007.86,115.28 -1307.57,115.28 -1309.52,114.89 -1311.17,113.79 -1358.89,66.07 -1360,64.42 -1360.38,62.47 -1360.38,-2118.58 -1380.46,-2138.66 -1403.8,-2138.66 -1422.9,-2119.55 -1422.9,165.67 -1422.74,165.71 -1421.08,166.81 -1406.24,181.66 -1329.62,258.28 -1314.48,258.28

## Keep-outs
Keep-Out Layer:
  circle w10: c-2014.3,-436.63 r36.22
  circle w10: c-2011.54,-581.31 r36.22
  circle w10: c-2011.54,-1053.75 r36.22
  circle w10: c-2001.7,-1339.19 r36.22
  circle w10: c-2001.7,-1811.63 r36.22
  circle w10: c-2014.3,-1944.5 r36.22
  lines w5: -2447.6,-2202.98 -1408.86,-2202.98 cw(c-1408.86,-2242.35) -1369.49,-2242.35 -1369.49,-2332.9 575.39,-2332.9 575.39,383.63 -1558.47,383.63 -1558.47,320.64 cw(c-1597.84,320.64) -1597.84,281.27 -1983.66,281.27 -1983.66,237.97 cw(c-2023.03,237.97) -2023.03,198.6 -2447.6,198.6
  lines w10: -2046.68,-2202.81 -2467,-2202.81 -2467,198.77 -2043.13,198.77 ; -1984.65,217.98 -1984.65,281.44 -1598.82,281.44 ; -1983.66,273.26 -1975.65,281.27 -1597.84,281.27 ccw(c-1597.84,320.64) -1558.47,320.64 ; -1941.7,-2202.81 -1409.84,-2202.81 cw(c-1409.84,-2242.18) -1370.47,-2242.18 -1370.47,-2332.73 78.3,-2332.73 ; -1598.82,281.44 ccw(c-1598.82,320.81) -1559.45,320.81 -1559.45,383.81 83.3,383.81 ; -1408.86,-2202.98 cw(c-1408.86,-2242.35) -1369.49,-2242.35 ; 203.3,383.81 574.41,383.81 574.41,-2332.73 208.3,-2332.73

## Other copper
TOP:
  rectangle net GND: -649,-2046 -628,-2021
  rectangle net GND: -641,-716 -619,-686
  rectangle net GND: -649,197 -626,219
  rectangle net NetJ8_26: -294,23 -274,35
  rectangle net GND: -649.01,-1600.45 -629.33,-1577.38
  rectangle net GND: -228,13.13 -157.5,41.1
L2:
  rectangle net GND: -476.06,183.89 -449.58,232.23
  rectangle net GND: -2027.2,-356.7 -1988.95,-348.48
  region net GND: -1835.79,-712.12 -1859.25,-712.12 -1859.25,-734.3 -1835.79,-734.3
  region net GND: -1447.48,-355.51 -1472.59,-355.51 -1472.59,-383.77 -1447.48,-383.77
  rectangle net GND: -2086.75,-912.63 -2051.58,-876.58
  region net GND: -2001.56,-804.94 -2035.46,-804.94 -2035.46,-816.98 -2001.56,-816.98
  region net GND: -2060.98,-753.99 -2094.51,-753.99 -2094.51,-788.26 -2060.98,-788.26
  region net GND: -2217.71,-454.88 -2244.12,-454.88 -2244.12,-482.34 -2217.71,-482.34
  rectangle net GND: -2035.08,-41.74 -1996.83,-33.52
  region net GND: -1843.66,128.25 -1881.91,128.25 -1881.91,120.03 -1843.66,120.03
  region net GND: -1788.4,34.03 -1826.65,34.03 -1826.65,25.8 -1788.4,25.8
  region net GND: -1739.4,33.48 -1777.65,33.48 -1777.65,25.25 -1739.4,25.25
  rectangle net GND: -188.61,14.13 -156.27,26.67
  rectangle net GND: 403.7,-520.31 473.8,-500
  rectangle net GND: 404.06,-657.55 442.31,-649.33
  rectangle net GND: 354.06,-1008.22 392.31,-1000
  rectangle net GND: 254.06,-1008.22 292.31,-1000
  rectangle net GND: -611.23,-1787.72 -594.88,-1749.15
  rectangle net GND: 440.75,-2250.71 479,-2242.49
  rectangle net GND: 254.06,-1808.22 292.31,-1800
  region net GND: 141.94,-1841.78 103.69,-1841.78 103.69,-1850 141.94,-1850
  region net GND: 91.94,-1740.93 53.69,-1740.93 53.69,-1749.15 91.94,-1749.15
  rectangle net GND: 54.06,-1808.22 92.31,-1800
  rectangle net GND: 252.7,-1609.02 290.95,-1600.79
  rectangle net GND: 54.06,-1608.22 92.31,-1600
  rectangle net GND: 104.06,-1407.34 142.31,-1399.12
  rectangle net GND: 254.06,-1308.22 292.31,-1300
  rectangle net GND: 103.69,-1251.4 233.9,-1241.78
  rectangle net GND: -481.5,-694.25 -444.14,-681
  rectangle net GND: -607,-790.11 -491.96,-772.8
BOTTOM:
  rectangle net ADC_CLKB_P: -842,-1194 -831,-1183
  rectangle net INU1_P: -1736.55,151 -1722.78,164
  rectangle net INU0_P: -1739,224 -1726,236
  rectangle net INU7_N: -1783,-995 -1761,-979
  rectangle net DVDD18A: -582.58,-6.26 -520.15,11.63
  rectangle net DVDD18B: -574.71,-910.24 -512.27,-893.88
  rectangle net DVDD18D: -582.59,-2247 -521,-2229.71
  rectangle net DVDD18C: -583.5,-1803 -521.06,-1784.83
P3 (plane layer: these items are gaps in the copper):
  lines w10: -2449.21,-1206.75 -2079.14,-1206.75 -1799.61,-927.22 -1799.61,-636.43 -1866.54,-569.5 -1866.54,-103.54 -1866.54,92.05 -1758.65,199.93 -1618.34,199.93 -1591.95,226.33 -1560.61,226.33 ; -1428,170.42 -1428,-2121.66 -1405.91,-2143.75 ; -1405.91,-2200.15 -1405.91,-2143.75 ; -60.33,282.96 -60.33,210.87 ; -35.83,375.93 -35.83,314.67 -63.94,286.56 -698.43,286.56 -709.06,297.19 -732.45,320.58 -915.05,320.58 -977.82,257.82 -1173.79,257.82 -1221.04,305.07 -1434,305.07 -1473.37,265.7 -1476.77,265.7 -1516.14,265.7 -1555.51,226.33 -1555.51,175.14 -1579.14,151.52 -1579.14,-2135.88 -1575.2,-2139.82 -1543.7,-2139.82 -1513,-2109.11 -1513,170.42 -1424.69,170.42 -1409.84,185.26 -1331.73,263.37 -1312.37,263.37 -1299.61,250.61 -1258.95,250.61 -1203.17,194.83 -76.38,194.83 -60.33,210.87 ; -1405.91,-2143.75 -1378.35,-2143.75 -1355.29,-2120.69 -1355.29,62.47 -1307.57,110.18 -1242.52,110.18 -1005.75,110.18 -966.52,149.41 -925.55,149.41 -864.12,87.98 -763.1,87.98 -738.44,112.65 -106.2,112.65 -60.33,158.51 -60.33,210.87 ; -488.58,-2246.12 -468.9,-2265.8 -346.8,-2265.8 -183,-2102 -183,-2054.7 -183,-7 -219.47,29.47 -488.58,29.47 -488.58,-2246.12

## Silkscreen, mask and mechanical layers (free items; w line width, h text height)
TopOverlay:
  lines w10: -824.53,197.45 -824.53,256.51 -755.63,256.51 ; -823.23,118.06 -823.23,-2332.73 -75.2,-2332.73 -75.2,383.81 -754.33,383.81 -754.33,177.11 ; -212.99,127.9 -173.62,127.9 ; -193.31,108.21 -193.31,147.59 ; -153.94,-2253.99 -153.94,-187.06
  text "FMC ADC 100M 10B 16CHA TDC v1.1" at -171,-2118 h30 r90
BottomOverlay:
  drawing of 44 lines, arcs and shapes, not listed
  text "TDC_SSN0" at 34,329.79 h30
  text "DAC SDA" at 353.25,279.35 h30
  text "CLK" at -2199.76,-4 h30
  text "DAC SCL" at 545,-59.9 h30
  text "ADC SCK" at -598.81,-96.53 h30
  text "ADC MOSI" at -367,-113 h30
  text "IDX33" at -2252.36,-161.47 h30 r90
  text "N" at -2197.25,-480.92 h30
  text "P" at -2418.24,-525.64 h30
  text "ADC_SSN0" at 27.43,-531.92 h30
  text "HB11N" at 406.14,-555.96 h30 r270
  text "TDC SSN1" at -30.1,-599.89 h30
  text "RFAUX" at -2413.78,-613.64 h30 r90
  text "HB11P" at 406.14,-716 h30 r270
  text "LA18CCN" at 441,-822 h30
  text "LA18CCP" at 439,-902.42 h30
  text "ADC MISO" at -136.62,-967.14 h30
  text "HA21P" at 104,-1008 h30
  text "ADC SSN1" at -466,-1010.27 h30
  text "HA20P" at 193,-1095 h30
  text "TDC_SSN2" at -58.62,-1485.46 h30
  text "FMC ADC 100M 10B 16CHA TDC / v1.1" at 200,-1878.86 h30 r270
  text "CLK MOSI" at 323,-1900 h30
  text "TDC_SSN3" at -483.55,-1904.15 h30
  text "CLK MISO" at 300,-1975.53 h30
  text "CLK SCK" at 275,-2017.77 h30
  text "SDA" at 182,-2063 h30
  text "SCL" at 109,-2109 h30
  text "CLK2P" at 589.07,-2190.4 h25
  text "CLK2N" at 589.07,-2237.33 h25
  text "CLK SSN" at 491,-2308 h30
Drill Guide:
  text "INPUT1" at -1583,1270.48 h39.37
  text "INPUT2" at -2935.92,-600.01 h39.37
  text "EXT CLK" at -2909.92,-849.01 h39.37
  text "TRIG" at -2805.92,-1021.01 h39.37
  text "REF IN" at -2893.92,-1190.01 h39.37
  text "INPUT3" at -2942.92,-1429.01 h39.37
  text "INPUT4" at -2965.92,-1867.01 h39.37
Mechanical 1:
  the board outline again, w5
Mechanical 2:
  circle w3.94: c-2003.25,-2116.54 r40.35
  circle w3.94: c-2004.23,109.81 r40.35
  lines w3.94: -3066.34,-1003.01 -2266.15,-1003.01 ; -3029.92,-2116.19 -2004.34,-2116.19 ; -3029.92,110.18 -2004.34,110.18 ; -2574.11,147.21 -2556.4,147.21 ; -2574.11,147.24 -2574.11,-2153.94 -2556.4,-2153.94 ; -2493.4,147.21 -2436.32,147.21 ; -2475.69,-2027.96 -2003.25,-2027.96 cw(c-2003.25,-2116.54) -2003.25,-2205.12 -2436.32,-2205.12 -2436.32,-2153.94 -2493.4,-2153.94 ; -2475.69,-2026.97 -2475.69,20.27 ; -2475.69,21.22 -2003.25,21.22 ; -2436.32,147.24 -2436.32,198.42 -2003.25,198.42 cw(c-2003.25,109.84) -2003.25,21.26 ; -2042.62,-2116.54 -1963.88,-2116.54 ; -2042.62,109.81 -1963.88,109.81 ; -2004.51,-2115.54 -2004.51,110.46 ; -2003.25,-2155.91 -2003.25,-2077.17 ; -2003.25,70.44 -2003.25,149.18 ; -2556.4,-2153.94 cw(c-2524.9,-2153.94) -2493.4,-2153.94 ; -2556.4,-2153.94 -2556.4,147.24 ccw(c-2524.9,147.24) -2493.4,147.24 -2493.4,-2153.94
Mechanical 8:
  circle w3.94: c-2003.35,-2116.37 r53.15
  circle w3.94: c146.26,265.52 r53.15
  circle w3.94: c225,-2045.5 r25.59
  circle w3.94: c146.26,-2214.79 r53.15
  circle w3.94: c146.26,265.52 r114.17
  circle w3.94: c146.26,-2214.79 r114.17
  lines w3.94: -2436.42,-1986.45 -1215.95,-1986.45 -1215.95,-17.94 -2436.42,-17.94 ; -2042.72,-2116.37 -2003.35,-2116.37 ; -2003.35,-2155.74 -2003.35,-2116.37 ; -2003.35,-2077 -2003.35,-2116.37 ; -1963.98,-2116.37 -2003.35,-2116.37 ; 106.89,-2214.79 146.26,-2214.79 ; 146.26,-2254.16 146.26,-2214.79 ; 146.26,-2175.42 146.26,-2214.79 ; 185.63,-2214.79 146.26,-2214.79 ; 185.63,-2045.5 225,-2045.5 ; 225,-2084.87 225,-2045.5 ; 225,-2006.13 225,-2045.5 ; 264.37,-2045.5 225,-2045.5 ; 410.04,-1951.01 449.41,-1951.01 ; 449.41,-1990.38 449.41,-1951.01 ; 449.41,-1911.64 449.41,-1951.01 ; 488.78,-1951.01 449.41,-1951.01
Mechanical 9:
  lines w3.94: -1983.66,281.27 -1983.66,237.97 cw(c-2023.03,237.97) -2023.03,198.6 -2436.42,198.6 -2436.42,-2202.98 -1853.74,-2202.98 ; -1727.76,-2202.98 -1408.86,-2202.98 cw(c-1408.86,-2242.35) -1369.49,-2242.35 -1369.49,-2332.9 -491.54,-2332.9 ; -1727.76,281.27 -1597.84,281.27 ccw(c-1597.84,320.64) -1558.47,320.64 -1558.47,383.63 -491.54,383.63 ; -365.55,-2332.9 575.39,-2332.9 575.39,-1037.63 ; -365.55,383.63 575.39,383.63 575.39,-911.64
Mechanical 10:
  lines w3.94: -2633.27,-2332.9 -2436.42,-2332.9 -2436.42,-2529.75 ; -2633.27,198.6 -2436.42,198.6 -2436.42,395.45 ; -2534.85,-2202.98 -2436.42,-2202.98 -2436.42,-2301.41 ; -1467.92,-2332.9 -1369.49,-2332.9 -1369.49,-2431.33 ; -1459.17,228.05 -1360.74,228.05 -1360.74,326.48 ; 772.24,-2332.9 575.39,-2332.9 ; 575.39,-2332.9 575.39,-2529.75 575.39,-2332.9
Drill Drawing:
  lines w3.94: -2062.4,237.97 -2023.03,237.97 ; -2023.03,198.6 -2023.03,237.97 ; -2023.03,277.34 -2023.03,237.97 ; -1983.66,237.97 -2023.03,237.97 ; -1637.21,320.64 -1597.84,320.64 ; -1597.84,281.27 -1597.84,320.64 ; -1597.84,360.01 -1597.84,320.64 ; -1558.47,320.64 -1597.84,320.64 ; -1448.23,-2242.35 -1408.86,-2242.35 ; -1408.86,-2281.72 -1408.86,-2242.35 ; -1408.86,-2202.98 -1408.86,-2242.35 ; -1369.49,-2242.35 -1408.86,-2242.35

## Dimensions
-2436.42,17.1 to -1558.47,383.63 on Drill Drawing
-2447.6,198.6 to -1983.66,281.27 on Drill Drawing
-1558.47,320.64 to -1983.66,237.97 on Drill Drawing
-1983.66,281.27 to -2436.42,17.1 on Drill Drawing
-1408.86,-2242.35 to -1277.07,-2110.56 on Drill Drawing
-1369.49,-2242.35 to -2436.42,-2021.49 on Drill Drawing
-1369.49,-2332.9 to -2436.42,-2021.49 on Drill Drawing
-2023.03,198.6 to -2447.6,-2202.98 on Drill Drawing
575.39,383.63 to 575.39,-2332.9 on Drill Drawing
575.39,383.63 to -2455.71,-2.19 on Drill Drawing

## Text inside footprints (layer, text, board x,y; h text height)
Cage1: TopOverlay "PCB edge" at -2613.37,-1158.96 h39.37 r90; Mechanical 14 "A1" at -1908.78,-1391.35 h39.37; Mechanical 14 "A13" at -1958,-1788.01 h39.37; Mechanical 14 "B13" at -1654.3,-1806.78 h39.37; Mechanical 14 "B1" at -1662.72,-1384.46 h39.37; Mechanical 14 "A1" at -1908.78,-641.28 h39.37; Mechanical 14 "A13" at -1958,-1037.94 h39.37; Mechanical 14 "B13" at -1654.3,-1056.72 h39.37; Mechanical 14 "B1" at -1662.72,-634.39 h39.37
J11: TopOverlay "1" at -111,-1973 h39.37; TopOverlay "40" at -13,18 h39.37 r90; Mechanical 11 "e" at 237.08,-2154.11 h39.37; Mechanical 11 "d" at 285.81,-2155.67 h39.37; Mechanical 11 "c" at 340,-2155 h39.37; Mechanical 11 "b" at 390,-2155 h39.37; Mechanical 11 "a" at 440,-2155 h39.37; Mechanical 11 "f" at 187.18,-2160.67 h39.37; Mechanical 11 "h" at 85,-2155 h39.37; Mechanical 11 "g" at 137.18,-2150.67 h39.37; Mechanical 11 "j" at 37.18,-2150.67 h39.37; Mechanical 11 "k" at -7.82,-2155.67 h39.37; Mechanical 14 "1" at -92.82,-1975.67 h39.37; Mechanical 14 "40" at -55,100 h39.37 r270; Mechanical 14 "k" at -7.82,-2155.67 h39.37; Mechanical 14 "j" at 37.18,-2150.67 h39.37; Mechanical 14 "g" at 137.18,-2150.67 h39.37; Mechanical 14 "h" at 85,-2155 h39.37; Mechanical 14 "f" at 187.18,-2160.67 h39.37; Mechanical 14 "e" at 237.08,-2154.11 h39.37; Mechanical 14 "d" at 285.81,-2155.67 h39.37; Mechanical 14 "c" at 340,-2155 h39.37; Mechanical 14 "b" at 390,-2155 h39.37; Mechanical 14 "a" at 440,-2155 h39.37
J12: TopOverlay "A1" at -1906.03,-646.27 h39.37; TopOverlay "A13" at -1940.54,-1071.75 h39.37; TopOverlay "B13" at -1738.7,-1126.59 h39.37; TopOverlay "B1" at -1659.48,-636.43 h39.37; Mechanical 14 "B1" at -1659.96,-636.43 h39.37; Mechanical 14 "B13" at -1651.54,-1058.75 h39.37; Mechanical 14 "A13" at -1955.24,-1039.97 h39.37; Mechanical 14 "A1" at -1906.03,-643.32 h39.37
J13: TopOverlay "A1" at -1896.18,-1404.15 h39.37; TopOverlay "A13" at -1930.7,-1829.63 h39.37; TopOverlay "B13" at -1719.02,-1884.46 h39.37; TopOverlay "B1" at -1649.64,-1394.3 h39.37; Mechanical 14 "B1" at -1650.12,-1394.3 h39.37; Mechanical 14 "B13" at -1641.7,-1816.63 h39.37; Mechanical 14 "A13" at -1945.4,-1797.85 h39.37; Mechanical 14 "A1" at -1896.18,-1401.19 h39.37